# Altium PCB LED.PcbDoc
Units mm, origin at the board's own origin, x right, y up, seen from the top; angles counter-clockwise.
Board outline 71 x 92.2 mm, 2 copper layers (Top Layer, Bottom Layer); 31 components, 27 nets, 62 pads, 300 vias.
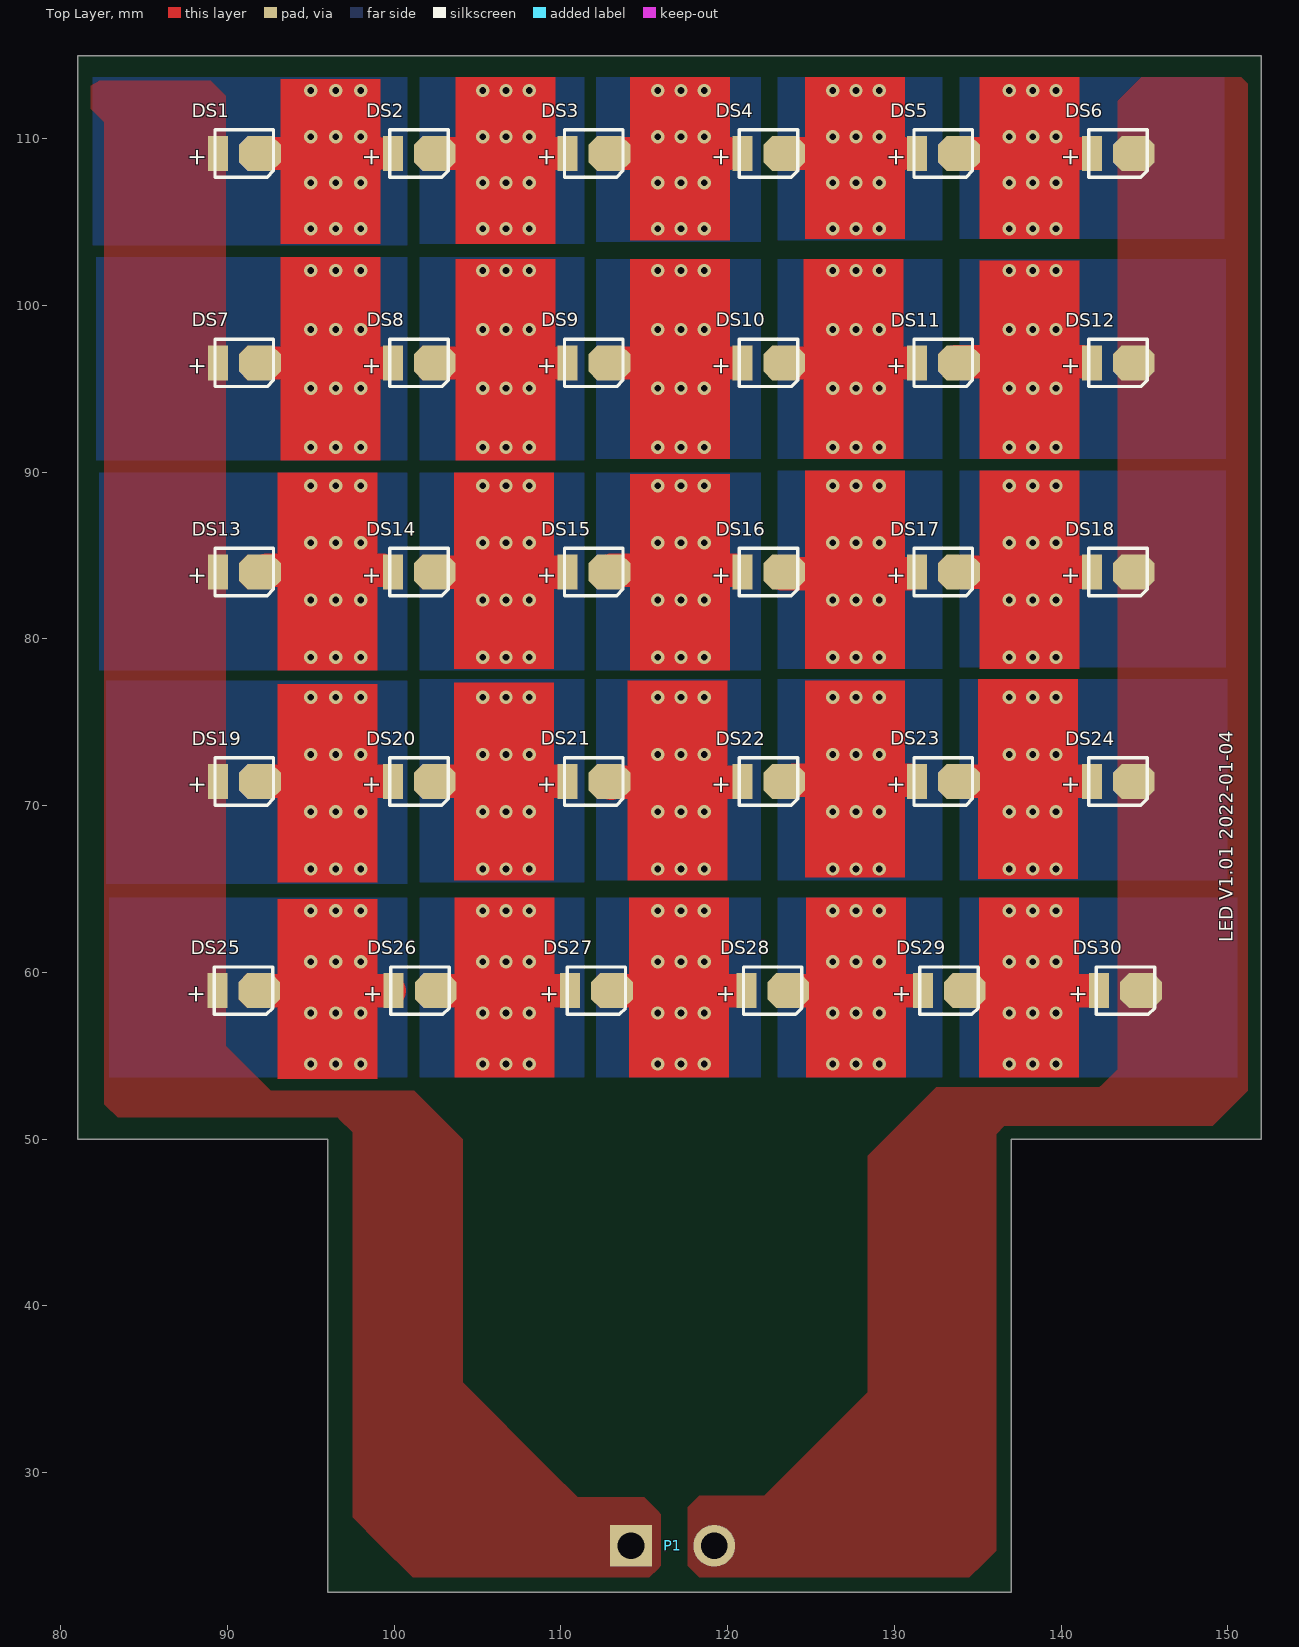
[diagram p0: Top Layer view]
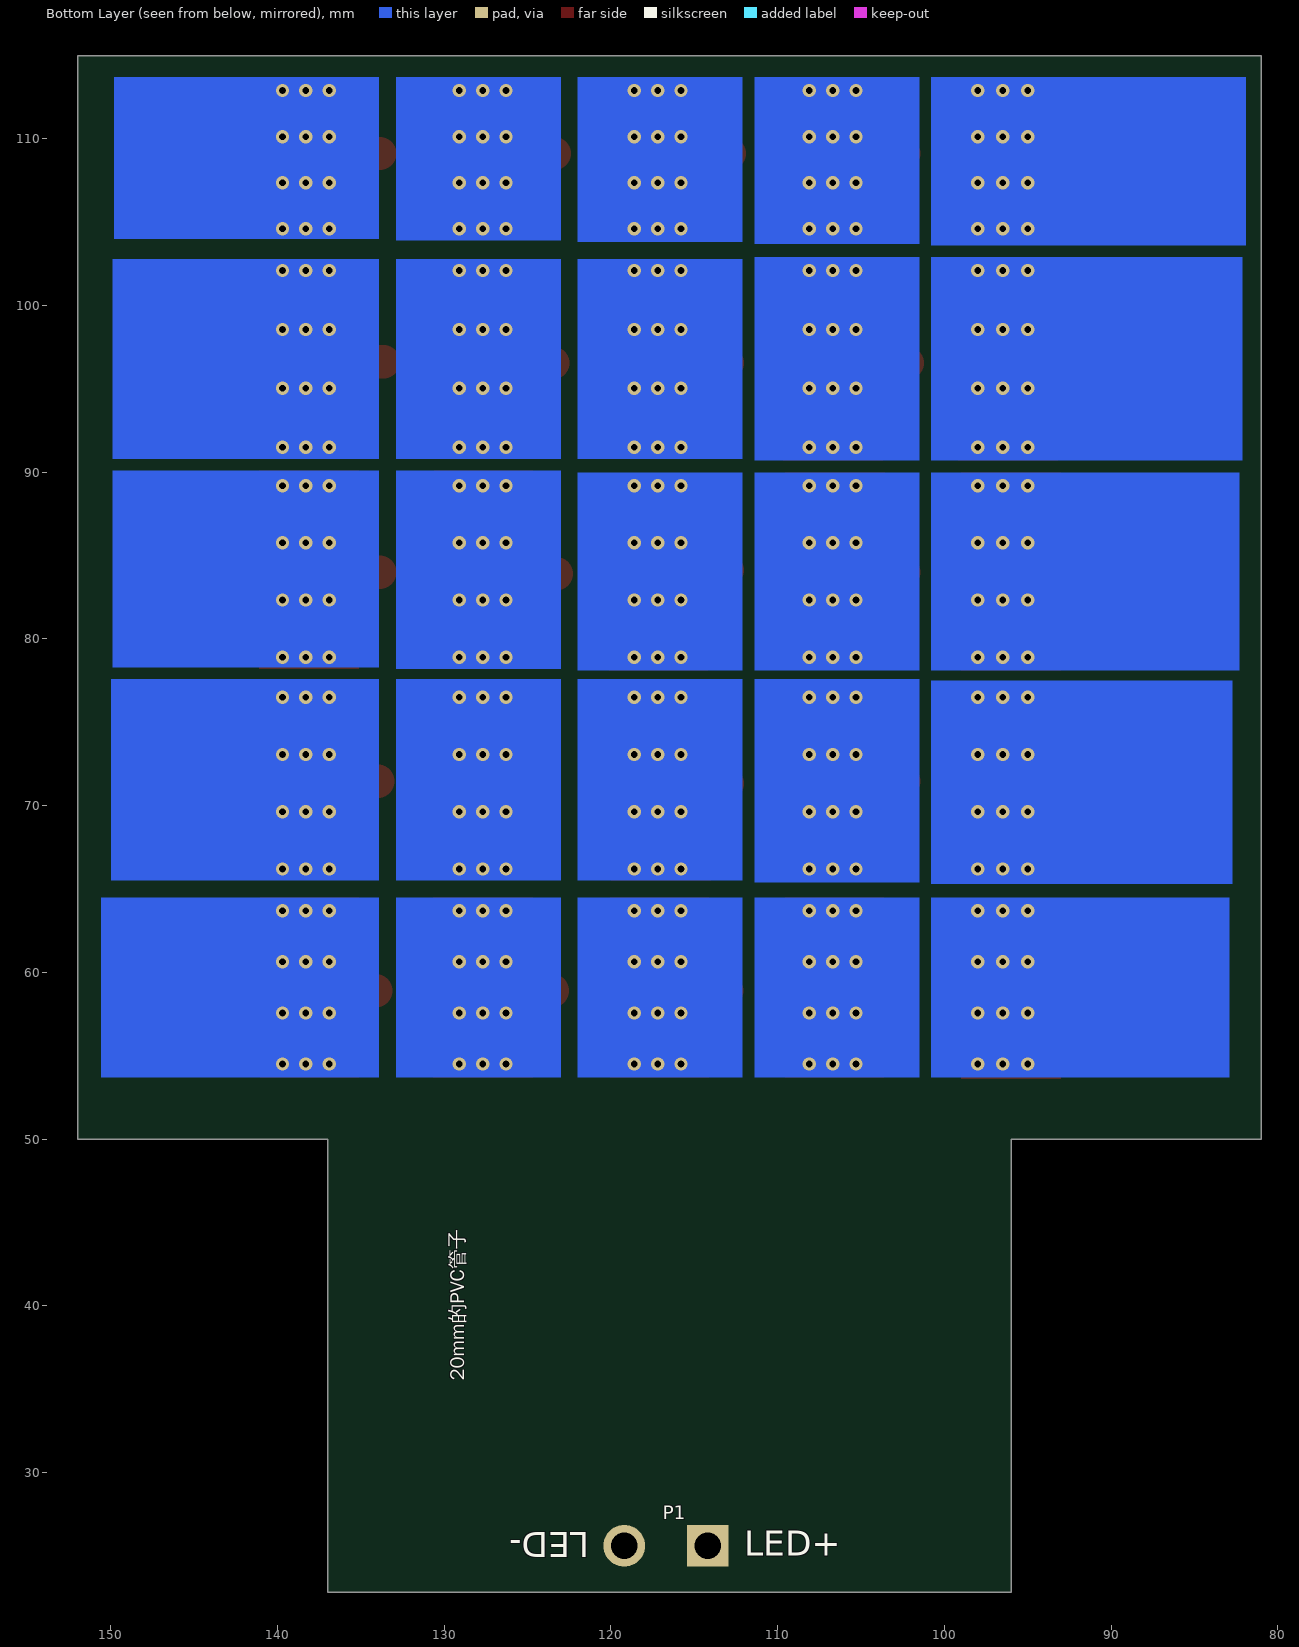
[diagram p1: Bottom Layer view, seen from below]
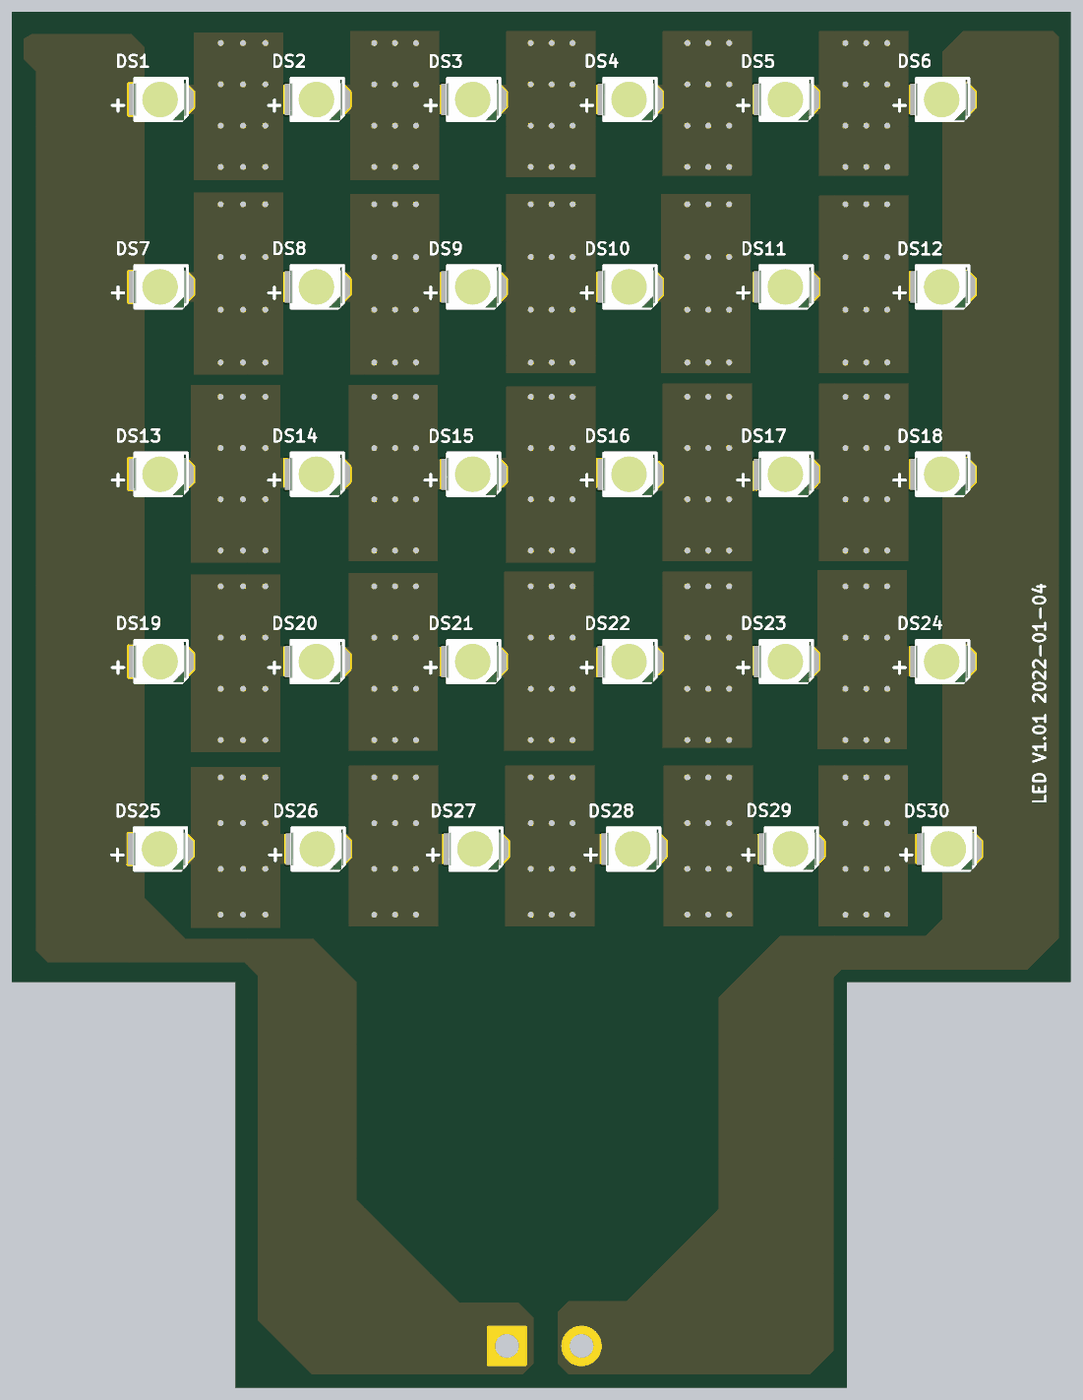
[diagram p2: 3D render of the assembled board from above, using the file's embedded part models]

## Layer stack, top to bottom
Top Solder: solder mask 0.0102, Solder Resist, Dk 3.5
Top Layer: signal copper 0.0356
Dielectric1: dielectric 0.32, FR-4, Dk 4.8
Bottom Layer: signal copper 0.0356
Bottom Solder: solder mask 0.0102, Solder Resist, Dk 3.5

## Board outline
81,50 96,50 96,22.8 137,22.8 137,50 152,50 152,115 81,115

## Design rules (kind name [scope] priority, off if disabled: settings)
Clearance [All] p1: gap=0.254 ignorepadtopadclearanceinfootprint=FALSE except(0: Arc-Hole Track-Hole SMDPad-Hole THPad-Hole Via-Hole Fill-Hole Poly-Hole Region-Hole Text-Hole)
ComponentClearance [All] p1 off: gap=0.254 collisioncheckmode=3 verticalgap=0.254 showdistances=FALSE
DiffPairsRouting [All] p1: maxlimit=0.152 minlimit=0.152 mostfreqgap=0.152 toplayer_minwidth=0.381 toplayer_maxwidth=0.381 toplayer_prefwidth=0.381 bottomlayer_minwidth=0.381 bottomlayer_maxwidth=0.381 bottomlayer_prefwidth=0.381 maxuncoupledlength=12.7
Height [All] p1: minheight=0 maxheight=55.4 prefheight=12.7
HoleSize [All] p1: absolutevalues=TRUE maxlimit=5 minlimit=0.025 maxpercent=80.000 minpercent=20.000
MinimumSolderMaskSliver [All] p1 off: minsoldermaskwidth=0.254
PolygonConnect [All] p1: connectstyle=Direct reliefconductorwidth=0.3 reliefentries=4 polygonreliefangle="90 Angle" airgapwidth=0.254
RoutingVias [All] p1: holewidth=0.3 width=0.6 viastyle="Through Hole" minholewidth=0.3 minwidth=0.6 maxholewidth=0.4 maxwidth=0.8
SilkToSilkClearance [All] p1 off: silktosilkclearance=0.254
SilkToSolderMaskClearance SilkscreenOverComponentPads [IsPad] p1 off: minsilkscreentomaskgap=0.254 clearancetoexposedcopper=TRUE
SolderMaskExpansion [All] p1: expansion=0.102 istentingtop=FALSE
Width [All] p1: maxlimit=2 minlimit=0.152 preferedwidth=0.254 minimp=50.000000 maximp=50.000000 favimp=50.000000
23 further rules are at their usual default settings.

## Components (designator, comment, footprint, x,y, rotation, side; value= is the part's Value field where it differs from the comment)
DS1 "LED_W" "LED 3528" 90.939,109.119 r180 top
DS2 "LED_W" "LED 3528" 101.422,109.119 r180 top
DS3 "LED_W" "LED 3528" 111.905,109.119 r180 top
DS4 "LED_W" "LED 3528" 122.388,109.119 r180 top
DS5 "LED_W" "LED 3528" 132.871,109.119 r180 top
DS6 "LED_W" "LED 3528" 143.354,109.119 r180 top
DS7 "LED_W" "LED 3528" 90.939,96.564 r180 top
DS8 "LED_W" "LED 3528" 101.422,96.564 r180 top
DS9 "LED_W" "LED 3528" 111.905,96.564 r180 top
DS10 "LED_W" "LED 3528" 122.388,96.564 r180 top
DS11 "LED_W" "LED 3528" 132.871,96.564 r180 top
DS12 "LED_W" "LED 3528" 143.354,96.564 r180 top
DS13 "LED_W" "LED 3528" 90.939,84.01 r180 top
DS14 "LED_W" "LED 3528" 101.422,84.01 r180 top
DS15 "LED_W" "LED 3528" 111.905,84.01 r180 top
DS16 "LED_W" "LED 3528" 122.388,84.01 r180 top
DS17 "LED_W" "LED 3528" 132.871,84.01 r180 top
DS18 "LED_W" "LED 3528" 143.354,84.01 r180 top
DS19 "LED_W" "LED 3528" 90.939,71.455 r180 top
DS20 "LED_W" "LED 3528" 101.422,71.455 r180 top
DS21 "LED_W" "LED 3528" 111.905,71.455 r180 top
DS22 "LED_W" "LED 3528" 122.388,71.455 r180 top
DS23 "LED_W" "LED 3528" 132.871,71.455 r180 top
DS24 "LED_W" "LED 3528" 143.354,71.455 r180 top
DS25 "LED_W" "LED 3528" 90.9,58.9 r180 top
DS26 "LED_W" "LED 3528" 101.479,58.9 r180 top
DS27 "LED_W" "LED 3528" 112.059,58.9 r180 top
DS28 "LED_W" "LED 3528" 122.638,58.9 r180 top
DS29 "LED_W" "LED 3528" 133.217,58.9 r180 top
DS30 "LED_W" "LED 3528" 143.797,58.9 r180 top
P1 "Header 2" KF2EDGK5.0-LI-2P 116.7,25.6 r0 top

## Footprints (in the part's own frame and the unit in brackets; to place one, negate y for a bottom-side part, rotate by r counter-clockwise, add the part's x,y. Pads: shape width x height; smd on the part's side, far side on the other; paste and mask are expansions set on the pad)
KF2EDGK5.0-LI-2P [mm] "立插端子"
  rect 2.5x2.5 hole 1.6: 1(-2.5,0)
  round 2.5 hole 1.6: 2(2.5,0)
"LED 3528" [mm] "红色3528LED"
  rect 1.2x2.1 smd: A(1.511,0)
  oct 2.5x2.1 smd: K(-1.003,0)
  silkscreen extent -1.82,-1.42 1.69,1.42, body extent -1.75,-1.4 1.75,1.4, height 1.9

## Part data
DS1 DS2 DS3 DS4 DS5 DS6 DS7 DS8 DS9 DS10 DS11 DS12 DS13 DS14 DS15 DS16 DS17 DS18 DS19 DS20 DS21 DS22 DS23 DS24 DS25 DS26 DS27 DS28 DS29 DS30: library part LED, "Typical RED, GREEN, YELLOW, AMBER GaAs LED", PackageDocument=Feb-2002, LatestRevisionDate=17-Jul-2002, LatestRevisionNote="Re-released for DXP Platform.", PackageReference=3.2X1.6X1.1, Published=8-Jun-2000, Publisher="Altium Limited"
P1: "Header, 2-Pin", LatestRevisionDate=17-Jul-2002, LatestRevisionNote="Re-released for DXP Platform.", Publisher="Altium Limited"

## Via types
v1: diameter 0.8, hole 0.4, Top Layer to Bottom Layer, tented both sides, 300 vias

## Nets (pads, with @x,y where several pads share a name; then routed paths per layer and width w, separated by ;. In a path a pad name is that pad's centre, name@x,y a point inside that pad or via, vN(x,y) a via of type N, cw(c..) or ccw(c..) an arc to the next point about the centre after c; other vN are vias at no path point)
LED_V+: DS1.A DS7.A DS13.A DS19.A DS25.A P1.1
LED_V-: DS6.K DS12.K DS18.K DS24.K DS30.K P1.2
NetDS1_K: DS1.K DS2.A | length 7.1
  Top Layer w2: DS1.K 97.7,109.119 99.051,109.119
  other v1: 95,104.6 96.5,104.6 98,104.6 95,107.367 96.5,107.367 98,107.367 95,110.133 96.5,110.133 98,110.133 95,112.9 96.5,112.9 98,112.9
NetDS2_K: DS2.K DS3.A | length 7.2
  Top Layer w2: DS2.K 108.1,109.119 109.669,109.119
  other v1: 105.3,104.6 106.7,104.6 108.1,104.6 105.3,107.367 106.7,107.367 108.1,107.367 105.3,110.133 106.7,110.133 108.1,110.133 105.3,112.9 106.7,112.9 108.1,112.9
NetDS3_K: DS3.K DS4.A | length 7.2
  Top Layer w2: DS3.K 118.6,109.119 120.126,109.119
  other v1: 115.8,104.6 117.2,104.6 118.6,104.6 115.8,107.367 117.2,107.367 118.6,107.367 115.8,110.133 117.2,110.133 118.6,110.133 115.8,112.9 117.2,112.9 118.6,112.9
NetDS4_K: DS4.K DS5.A | length 7.2
  Top Layer w2: DS4.K 129.1,109.119 130.566,109.119
  other v1: 126.3,104.6 127.7,104.6 129.1,104.6 126.3,107.367 127.7,107.367 129.1,107.367 126.3,110.133 127.7,110.133 129.1,110.133 126.3,112.9 127.7,112.9 129.1,112.9
NetDS5_K: DS5.K DS6.A | length 7.3
  Top Layer w2: DS5.K 139.7,109.119 141.135,109.119
  other v1: 136.9,104.6 138.3,104.6 139.7,104.6 136.9,107.367 138.3,107.367 139.7,107.367 136.9,110.133 138.3,110.133 139.7,110.133 136.9,112.9 138.3,112.9 139.7,112.9
NetDS7_K: DS7.K DS8.A | length 7.5
  Top Layer w2: DS7.K@91.943,96.556 DS8.A@99.4,96.556
  other v1: 95,91.5 96.5,91.5 98,91.5 95,95.033 96.5,95.033 98,95.033 95,98.567 96.5,98.567 98,98.567 95,102.1 96.5,102.1 98,102.1
NetDS8_K: DS8.K DS9.A | length 7.7
  Top Layer w2: DS8.K@102.226,96.556 DS9.A@109.9,96.556
  other v1: 105.3,91.5 106.7,91.5 108.1,91.5 105.3,95.033 106.7,95.033 108.1,95.033 105.3,98.567 106.7,98.567 108.1,98.567 105.3,102.1 106.7,102.1 108.1,102.1
NetDS9_K: DS9.K DS10.A | length 7.4
  Top Layer w2: DS9.K@113.009,96.556 DS10.A@120.4,96.556
  other v1: 115.8,91.5 117.2,91.5 118.6,91.5 115.8,95.033 117.2,95.033 118.6,95.033 115.8,98.567 117.2,98.567 118.6,98.567 115.8,102.1 117.2,102.1 118.6,102.1
NetDS10_K: DS10.K DS11.A | length 7.4
  Top Layer w2: DS10.K@123.492,96.556 DS11.A@130.9,96.556
  other v1: 126.3,91.5 127.7,91.5 129.1,91.5 126.3,95.033 127.7,95.033 129.1,95.033 126.3,98.567 127.7,98.567 129.1,98.567 126.3,102.1 127.7,102.1 129.1,102.1
NetDS11_K: DS11.K DS12.A | length 7.7
  Top Layer w2: DS11.K@133.649,96.621 DS12.A@141.3,96.621
  other v1: 136.9,91.5 138.3,91.5 139.7,91.5 136.9,95.033 138.3,95.033 139.7,95.033 136.9,98.567 138.3,98.567 139.7,98.567 136.9,102.1 138.3,102.1 139.7,102.1
NetDS13_K: DS13.K DS14.A | length 7
  Top Layer w2: DS13.K@92.343,84.113 99.3,84.113
  other v1: 95,78.9 96.5,78.9 98,78.9 95,82.333 96.5,82.333 98,82.333 95,85.767 96.5,85.767 98,85.767 95,89.2 96.5,89.2 98,89.2
NetDS14_K: DS14.K DS15.A | length 7.5
  Top Layer w2: DS14.K DS15.A@109.9,84.01
  other v1: 105.3,78.9 106.7,78.9 108.1,78.9 105.3,82.333 106.7,82.333 108.1,82.333 105.3,85.767 106.7,85.767 108.1,85.767 105.3,89.2 106.7,89.2 108.1,89.2
NetDS15_K: DS15.K DS16.A | length 7.4
  Top Layer w2: DS15.K@113.009,84.113 DS16.A@120.4,84.113
  other v1: 115.8,78.9 117.2,78.9 118.6,78.9 115.8,82.333 117.2,82.333 118.6,82.333 115.8,85.767 117.2,85.767 118.6,85.767 115.8,89.2 117.2,89.2 118.6,89.2
NetDS16_K: DS16.K DS17.A | length 7.6
  Top Layer w2: DS16.K@123.292,83.913 DS17.A@130.9,83.913
  other v1: 126.3,78.9 127.7,78.9 129.1,78.9 126.3,82.333 127.7,82.333 129.1,82.333 126.3,85.767 127.7,85.767 129.1,85.767 126.3,89.2 127.7,89.2 129.1,89.2
NetDS17_K: DS17.K DS18.A | length 7.5
  Top Layer w2: DS17.K DS18.A@141.4,84.01
  other v1: 136.9,78.9 138.3,78.9 139.7,78.9 136.9,82.333 138.3,82.333 139.7,82.333 136.9,85.767 138.3,85.767 139.7,85.767 136.9,89.2 138.3,89.2 139.7,89.2
NetDS19_K: DS19.K DS20.A | length 7.8
  Top Layer w2: DS19.K@91.743,71.471 DS20.A@99.5,71.471
  other v1: 95,66.2 96.5,66.2 98,66.2 95,69.633 96.5,69.633 98,69.633 95,73.067 96.5,73.067 98,73.067 95,76.5 96.5,76.5 98,76.5
NetDS20_K: DS20.K DS21.A | length 7.4
  Top Layer w2: DS20.K DS21.A@109.8,71.455
  other v1: 105.3,66.2 106.7,66.2 108.1,66.2 105.3,69.633 106.7,69.633 108.1,69.633 105.3,73.067 106.7,73.067 108.1,73.067 105.3,76.5 106.7,76.5 108.1,76.5
NetDS21_K: DS21.K DS22.A | length 7.4
  Top Layer w2: DS21.K@113.017,71.325 113.092,71.4 DS22.A@120.4,71.4
  other v1: 115.8,66.2 117.2,66.2 118.6,66.2 115.8,69.633 117.2,69.633 118.6,69.633 115.8,73.067 117.2,73.067 118.6,73.067 115.8,76.5 117.2,76.5 118.6,76.5
NetDS22_K: DS22.K DS23.A | length 6.9
  Top Layer w2: DS22.K@123.983,71.525 DS23.A@130.9,71.525
  other v1: 126.3,66.2 127.7,66.2 129.1,66.2 126.3,69.633 127.7,69.633 129.1,69.633 126.3,73.067 127.7,73.067 129.1,73.067 126.3,76.5 127.7,76.5 129.1,76.5
NetDS23_K: DS23.K DS24.A | length 7.3
  Top Layer w2: DS23.K@133.974,71.471 DS24.A@141.3,71.471
  other v1: 136.9,66.2 138.3,66.2 139.7,66.2 136.9,69.633 138.3,69.633 139.7,69.633 136.9,73.067 138.3,73.067 139.7,73.067 136.9,76.5 138.3,76.5 139.7,76.5
NetDS25_K: DS25.K DS26.A | length 7.8
  Top Layer w2: DS25.K 97.8,58.9 DS26.A@99.7,58.9
  other v1: 95,54.5 96.5,54.5 98,54.5 95,57.567 96.5,57.567 98,57.567 95,60.633 96.5,60.633 98,60.633 95,63.7 96.5,63.7 98,63.7
NetDS26_K: DS26.K DS27.A | length 7.5
  Top Layer w2: DS26.K@102.603,58.9 108.1,58.9 DS27.A@110.1,58.9
  other v1: 105.3,54.5 106.7,54.5 108.1,54.5 105.3,57.567 106.7,57.567 108.1,57.567 105.3,60.633 106.7,60.633 108.1,60.633 105.3,63.7 106.7,63.7 108.1,63.7
NetDS27_K: DS27.K DS28.A | length 7.5
  Top Layer w2: DS27.K 118.6,58.9 DS28.A@120.6,58.9
  other v1: 115.8,54.5 117.2,54.5 118.6,54.5 115.8,57.567 117.2,57.567 118.6,57.567 115.8,60.633 117.2,60.633 118.6,60.633 115.8,63.7 117.2,63.7 118.6,63.7
NetDS28_K: DS28.K DS29.A | length 7.7
  Top Layer w2: DS28.K@123.503,58.9 DS28.K 127.7,58.9 DS29.A@131.2,58.9
  other v1: 126.3,54.5 127.7,54.5 129.1,54.5 126.3,57.567 127.7,57.567 129.1,57.567 126.3,60.633 127.7,60.633 129.1,60.633 126.3,63.7 127.7,63.7 129.1,63.7
NetDS29_K: DS29.K DS30.A | length 7.6
  Top Layer w2: DS29.K@134.103,58.9 DS29.K 138.3,58.9 DS30.A@141.7,58.9
  other v1: 136.9,54.5 138.3,54.5 139.7,54.5 136.9,57.567 138.3,57.567 139.7,57.567 136.9,60.633 138.3,60.633 139.7,60.633 136.9,63.7 138.3,63.7 139.7,63.7

## Polygon pours and split planes (outlines as drawn)
LED_V- on Top Layer "Top Layer-No Net" (solid, pour order 6): 150.8,113.7 144.8,113.7 144,112.9 143.4,112.3 143.4,109.3 143.4,54.2 142.5,53.3 142.3,53.1 139,53.1 132.5,53.1 130.7,51.3 128.4,49 128.4,44 128.4,34.8 125,31.4 122.2,28.6 118.4,28.6 118.3,28.6 117.7,28 117.6,27.9 117.6,26.4 117.6,24.4 118,24 118.3,23.7 119.6,23.7 134.5,23.7 135.3,24.5 136.1,25.3 136.1,26.9 136.1,50.3 136.6,50.8 137.6,50.8 149.1,50.8 150.5,52.2 151.2,52.9 151.2,54.3 151.2,113.3 150.8,113.7
LED_V+ on Top Layer "Top Layer-No Net" (solid, pour order 4): 82.3,113.5 89,113.5 89.6,112.9 89.9,112.6 89.9,109.1 89.9,55.6 92.2,53.3 92.6,52.9 95.2,52.9 101.2,52.9 102.8,51.3 104.1,50 104.1,43 104.1,35.4 109.4,30.1 111,28.5 113.7,28.5 115,28.5 115.8,27.7 116,27.5 116,25.5 116,24.4 115.8,24.2 115.3,23.7 114.2,23.7 101.1,23.7 99.1,25.7 97.5,27.3 97.5,29.4 97.5,50.4 96.7,51.2 96.6,51.3 94.9,51.3 83.4,51.3 82.7,52 82.6,52.1 82.6,54.2 82.6,111 82.1,111.5 81.8,111.8 81.8,113.2

## Other copper
Top Layer:
  rectangle net NetDS29_K: 135.088,53.7 141.088,64.5
  rectangle net NetDS28_K: 124.688,53.7 130.688,64.5
  rectangle net NetDS27_K: 114.088,53.7 120.088,64.5
  rectangle net NetDS26_K: 103.6,53.7 109.6,64.5
  rectangle net NetDS25_K: 92.988,53.6 98.988,64.4
  rectangle net NetDS19_K: 92.988,65.4 98.988,77.3
  rectangle net NetDS20_K: 103.571,65.5 109.571,77.4
  rectangle net NetDS21_K: 114,65.5 120,77.5
  rectangle net NetDS22_K: 124.637,65.7 130.637,77.5
  rectangle net NetDS23_K: 135.02,65.6 141.02,77.6
  rectangle net NetDS17_K: 135.12,78.2 141.12,90.1
  rectangle net NetDS16_K: 124.637,78.2 130.637,90.1
  rectangle net NetDS15_K: 114.154,78.1 120.154,89.9
  rectangle net NetDS14_K: 103.571,78.2 109.571,90
  rectangle net NetDS13_K: 92.988,78.1 98.988,90
  rectangle net NetDS7_K: 93.188,90.7 99.188,102.9
  rectangle net NetDS8_K: 103.671,90.7 109.671,102.8
  rectangle net NetDS9_K: 114.154,90.8 120.154,102.8
  rectangle net NetDS10_K: 124.537,90.8 130.537,102.8
  rectangle net NetDS11_K: 135.12,90.8 141.12,102.7
  rectangle net NetDS5_K: 135.12,104 141.12,113.7
  rectangle net NetDS4_K: 124.637,104 130.637,113.7
  rectangle net NetDS3_K: 114.154,103.9 120.154,113.7
  rectangle net NetDS2_K: 103.671,103.7 109.671,113.7
  rectangle net NetDS1_K: 93.188,103.7 99.188,113.6
Bottom Layer:
  rectangle net NetDS29_K: 133.9,53.7 150.6,64.5
  rectangle net NetDS28_K: 123,53.7 132.9,64.5
  rectangle net NetDS27_K: 112.1,53.7 122,64.5
  rectangle net NetDS26_K: 101.5,53.7 111.4,64.5
  rectangle net NetDS25_K: 82.9,53.7 100.8,64.5
  rectangle net NetDS19_K: 82.7,65.3 100.8,77.5
  rectangle net NetDS20_K: 101.5,65.4 111.4,77.6
  rectangle net NetDS21_K: 112.1,65.5 122,77.6
  rectangle net NetDS22_K: 123,65.5 132.9,77.6
  rectangle net NetDS23_K: 133.9,65.5 150,77.6
  rectangle net NetDS17_K: 133.9,78.3 149.9,90.1
  rectangle net NetDS16_K: 123,78.2 132.9,90.1
  rectangle net NetDS15_K: 112.1,78.1 122,90
  rectangle net NetDS14_K: 101.5,78.1 111.4,90
  rectangle net NetDS13_K: 82.3,78.1 100.8,90
  rectangle net NetDS7_K: 82.1,90.7 100.8,102.9
  rectangle net NetDS8_K: 101.5,90.7 111.4,102.9
  rectangle net NetDS9_K: 112.1,90.8 122,102.8
  rectangle net NetDS10_K: 123,90.8 132.9,102.8
  rectangle net NetDS11_K: 133.9,90.8 149.9,102.8
  rectangle net NetDS5_K: 133.9,104 149.8,113.7
  rectangle net NetDS4_K: 123,103.9 132.9,113.7
  rectangle net NetDS3_K: 112.1,103.8 122,113.7
  rectangle net NetDS2_K: 101.5,103.7 111.4,113.7
  rectangle net NetDS1_K: 81.9,103.6 100.8,113.7

## Silkscreen, mask and mechanical layers (free items; w line width, h text height)
Top Overlay:
  text "LED V1.01 2022-01-04" at 150.3,61.8 h0.8 r90
Bottom Overlay:
  text "20mm的PVC管子" at 128.5,35.5 h1.5 r270
  text "LED-" at 121.3,26.4 h1.5 r180
  text "LED+" at 112,25 h1.5
Mechanical 1:
  circle w0.254: c116.5,40 r10.1
  lines w0.15: 81,50 81,115 152,115 152,50
  lines w0.203: 81,50 96,50 96,22.8 137,22.8 137,50 152,50

## Text inside footprints (layer, text, board x,y; h text height)
DS1: Top Overlay "+" at 87.726,109.475 h1 r270
DS2: Top Overlay "+" at 98.209,109.475 h1 r270
DS3: Top Overlay "+" at 108.692,109.475 h1 r270
DS4: Top Overlay "+" at 119.175,109.475 h1 r270
DS5: Top Overlay "+" at 129.658,109.475 h1 r270
DS6: Top Overlay "+" at 140.141,109.475 h1 r270
DS7: Top Overlay "+" at 87.726,96.92 h1 r270
DS8: Top Overlay "+" at 98.209,96.92 h1 r270
DS9: Top Overlay "+" at 108.692,96.92 h1 r270
DS10: Top Overlay "+" at 119.175,96.92 h1 r270
DS11: Top Overlay "+" at 129.658,96.92 h1 r270
DS12: Top Overlay "+" at 140.141,96.92 h1 r270
DS13: Top Overlay "+" at 87.726,84.365 h1 r270
DS14: Top Overlay "+" at 98.209,84.365 h1 r270
DS15: Top Overlay "+" at 108.692,84.365 h1 r270
DS16: Top Overlay "+" at 119.175,84.365 h1 r270
DS17: Top Overlay "+" at 129.658,84.365 h1 r270
DS18: Top Overlay "+" at 140.141,84.365 h1 r270
DS19: Top Overlay "+" at 87.726,71.81 h1 r270
DS20: Top Overlay "+" at 98.209,71.81 h1 r270
DS21: Top Overlay "+" at 108.692,71.81 h1 r270
DS22: Top Overlay "+" at 119.175,71.81 h1 r270
DS23: Top Overlay "+" at 129.658,71.81 h1 r270
DS24: Top Overlay "+" at 140.141,71.81 h1 r270
DS25: Top Overlay "+" at 87.687,59.256 h1 r270
DS26: Top Overlay "+" at 98.266,59.256 h1 r270
DS27: Top Overlay "+" at 108.846,59.256 h1 r270
DS28: Top Overlay "+" at 119.425,59.256 h1 r270
DS29: Top Overlay "+" at 130.004,59.256 h1 r270
DS30: Top Overlay "+" at 140.584,59.256 h1 r270